# KiCad board NS32016-BC.kicad_pcb (continued)
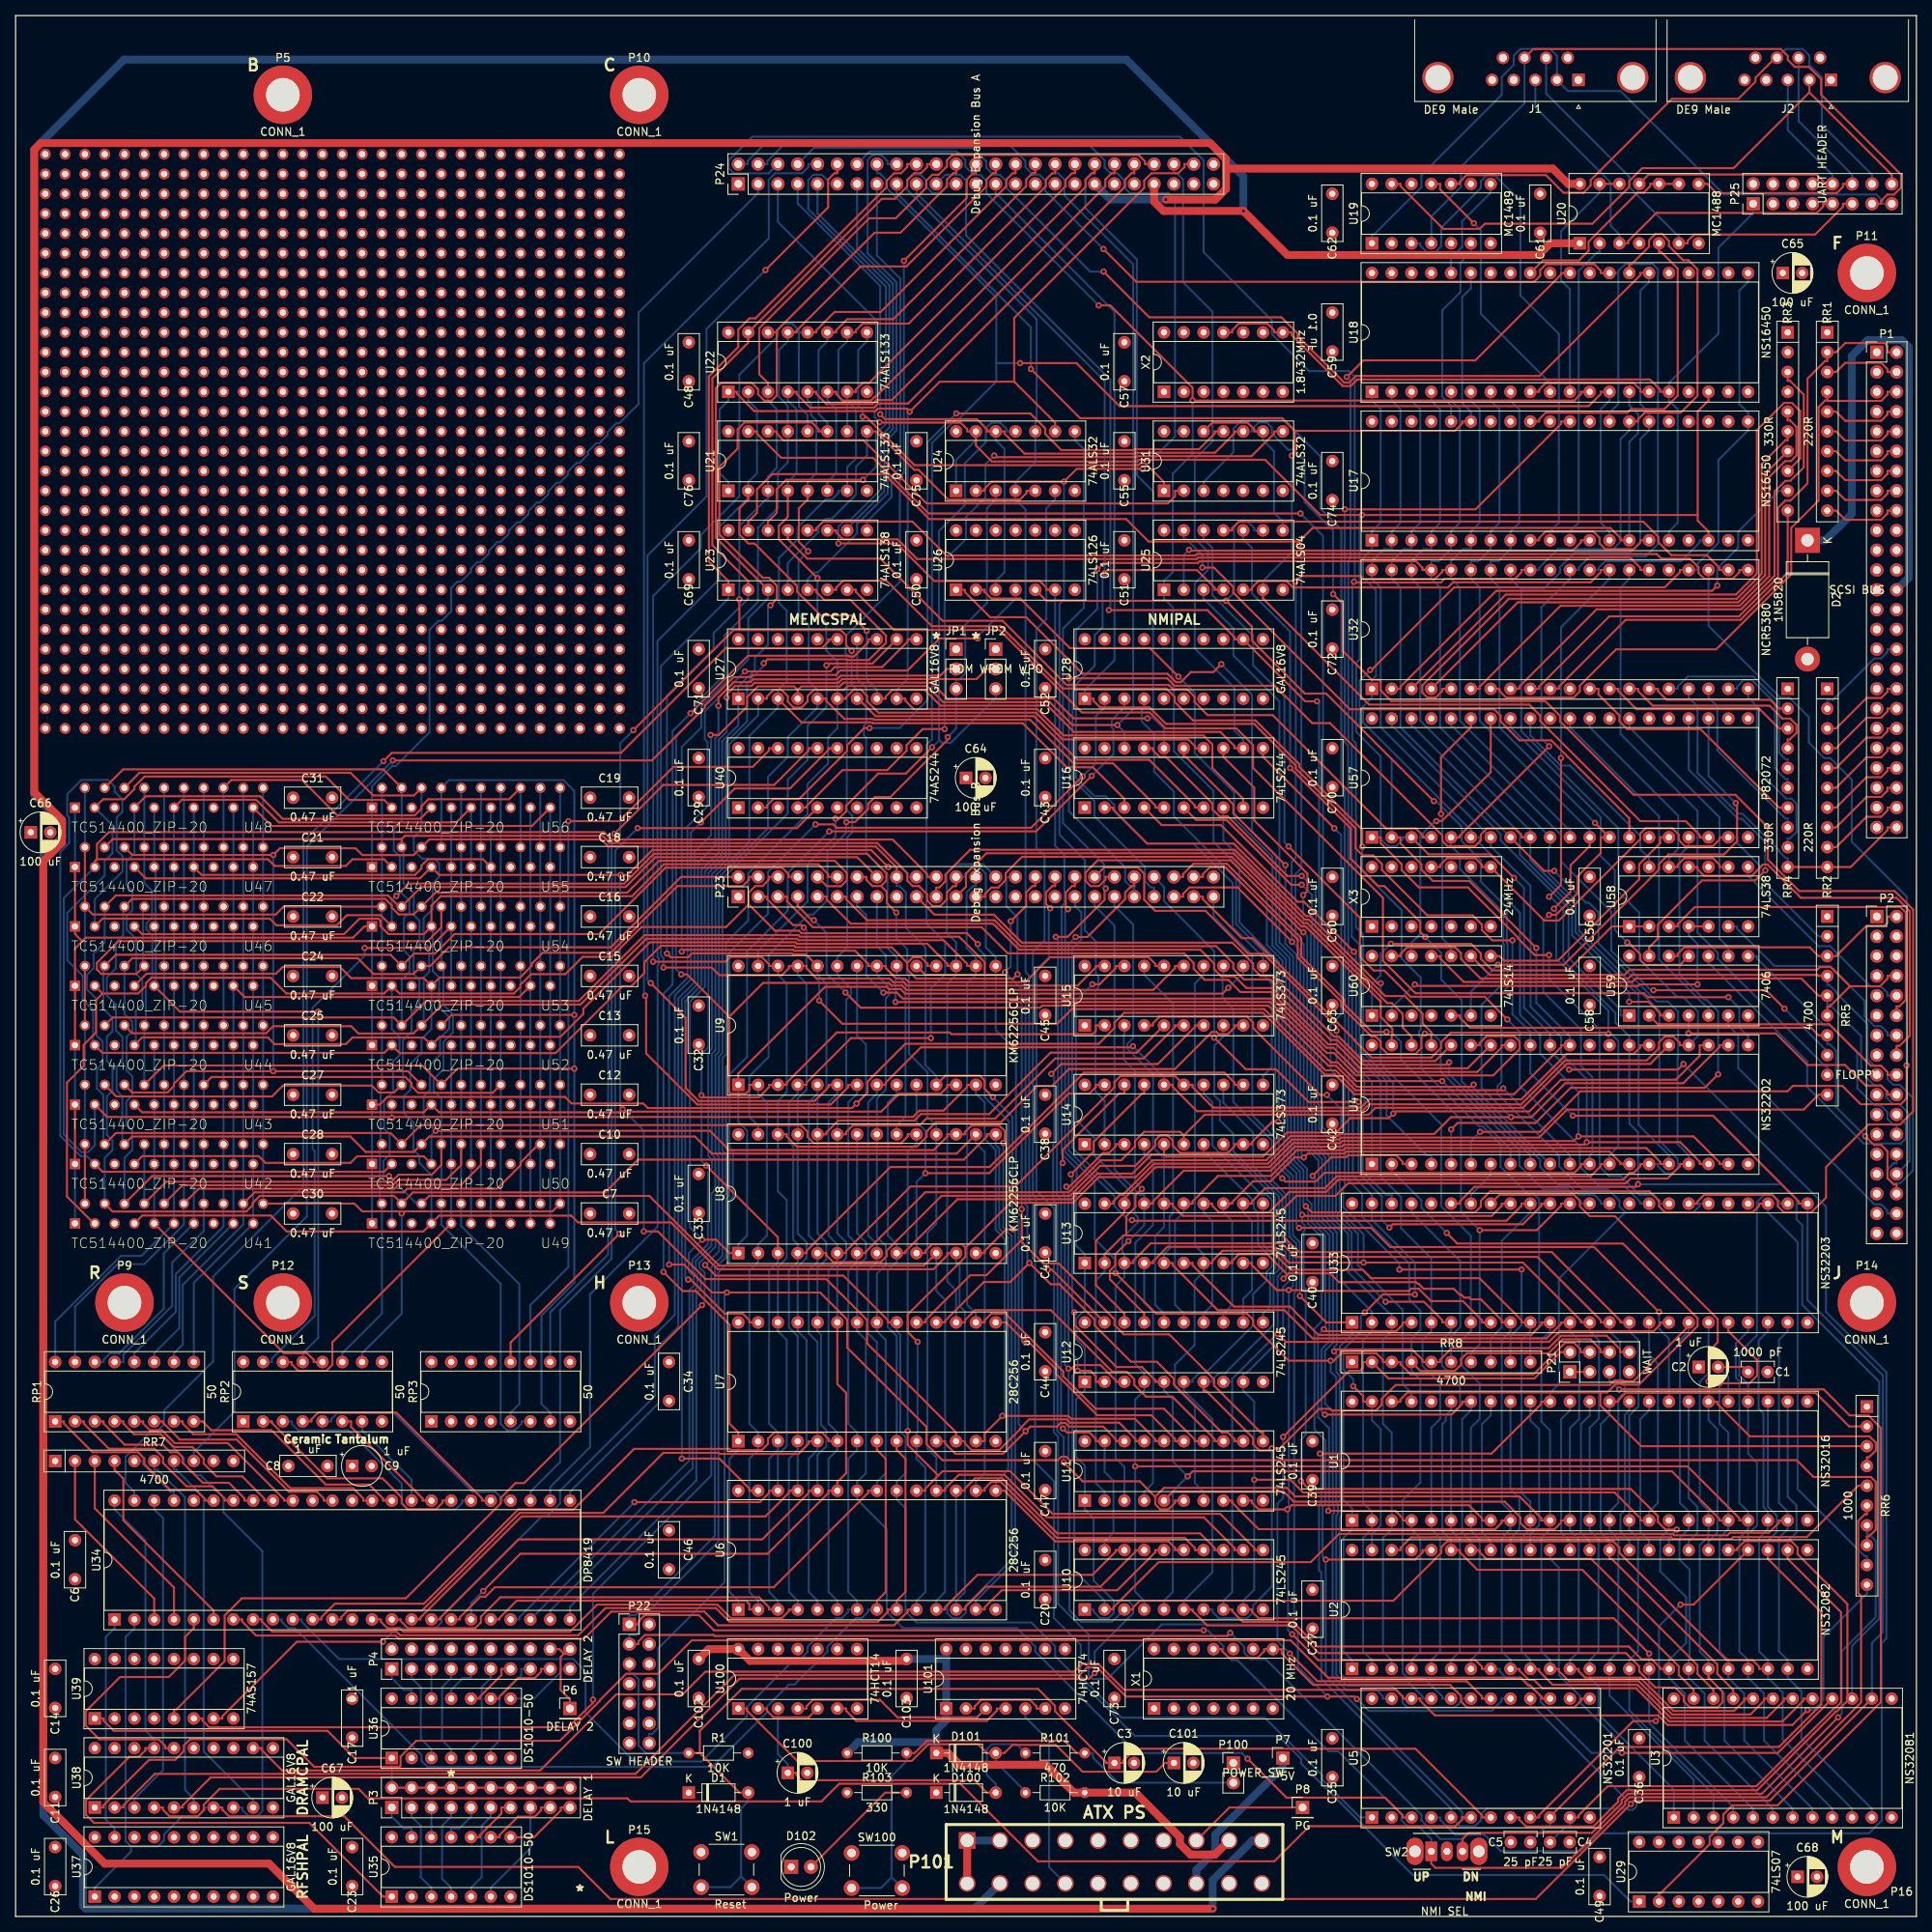
[diagram p0: board, top side]
## Routing (per net, layer and track width the routed paths; a pad name or vN(x,y) marks a point on that pad's centre or on a via; arc(x,y) is an arc through that point) (continued)
+io_data<3>: length 300.2
  Top w0.25: U4.16 210.96,96.52 210.96,96.8 209.2,98.56 170.57,98.56 170.31,98.3 164.36,98.3 161.05,94.99 154.25,94.99 150.99,91.72 150.99,91.44 U13.15 ; U57.9 193.18,138.43 193.18,138.71 192.34,139.56 188.75,139.56 187.96,138.77 187.96,138.04 187.23,137.3 183.68,137.3 183.02,137.96 183.02,138.68 168.62,153.08 166.33,153.08 161.54,157.87 148.67,157.87 147.72,158.82 v1(135.13,158.82)
  Bottom w0.25: P23.41 143.51,131.99 143.14,131.99 142.33,132.79 142.33,134.57 135.13,141.77 v1(135.13,158.82) ; U18.4 181.61,194.45 182.74,193.33 182.74,178.78 181.61,177.66 U17.4 181.61,175.4 180.63,175.4 179.07,173.85 U32.38 179.07,171.59 180.2,170.47 180.2,153.39 194.03,139.56 194.31,139.56 U57.9 194.31,135.53 200.12,129.72 200.12,126.26 208.2,118.18 208.2,101.54 212.09,97.65 U4.16 ; U13.15 149.86,90.31 148.73,89.19 148.73,78.45 149.86,77.33 U12.15
+io_data<4>: length 288.4
  Top w0.25: U4.15 208.42,96.52 208.42,96.24 207.58,95.39 207.09,95.39 206.19,94.49 169.66,94.49 168.11,92.94 163.4,92.94 160.78,90.31 154.37,90.31 153.53,91.16 153.53,91.44 U13.14 ; v1(138.77,172.82) 139.57,173.62 151.66,173.62 151.88,173.85 179.64,173.85 180.48,173 180.48,172.72 U32.37
  Bottom w0.25: U13.14 152.4,90.31 153.53,89.19 153.53,78.45 152.4,77.33 U12.14 ; U4.15 210.68,96.52 210.68,96.24 211.57,95.34 212.52,95.34 213.22,96.05 213.22,97.15 210.87,99.5 210.87,116.15 200.57,126.45 200.57,129.91 196.66,133.82 196.66,137.11 196.85,137.3 U57.10 182.74,152.54 182.74,170.47 181.61,171.59 U32.37 181.61,173.85 182.59,173.85 184.15,175.4 U17.5 184.15,177.66 185.28,178.78 185.28,193.33 184.15,194.45 U18.5 ; P23.43 146.05,131.99 145.68,131.99 144.87,132.79 144.87,134.63 138.39,141.11 138.39,143.07 135.58,145.88 135.58,158.23 136.03,158.67 136.03,165 138.77,167.74 v1(138.77,172.82)
+io_data<5>: length 252.6
  Top w0.25: v1(164.17,171.21) 164.9,171.95 172.5,171.95 172.89,171.56 182.08,171.56 183.02,172.5 183.02,172.72 U32.36 ; U13.13 156.07,91.44 156.07,91.63 158.75,94.31 161.01,94.31 164.06,97.36 v1(165.26,97.36) 165.75,97.85 170.5,97.85 170.76,98.11 204.47,98.11 205.88,96.7 205.88,96.52 U4.14 ; v1(163.75,125.02) 156.77,132 150.58,132 149.77,131.18 149.77,130.81 P23.45
  Bottom w0.25: U57.11 199.39,139.56 199.11,139.56 185.28,153.39 185.28,170.47 184.15,171.59 U32.36 184.15,173.85 185.71,175.4 186.69,175.4 U17.6 186.69,177.66 187.82,178.78 187.82,193.33 186.69,194.45 U18.6 ; v1(165.26,97.36) 164.96,97.67 164.96,103.17 164.79,103.34 164.79,123.97 v1(163.75,125.02) 163.69,125.08 163.69,135.26 164.23,135.8 164.23,171.16 v1(164.17,171.21) ; U13.13 154.94,90.31 156.07,89.19 156.07,78.45 154.94,77.33 U12.13
+io_data<6>: length 243.5
  Top w0.25: P23.47 152.31,130.81 152.31,130.49 157.31,125.49 158.72,125.49 171.8,112.41 171.8,112.32 173.94,110.17 181.62,110.17 182.88,111.44 182.88,112.16 184.1,113.38 204.16,113.38 v1(204.33,113.21) ; U57.12 201.93,137.3 199.47,134.85 199.47,131.41 v1(197.34,129.28) ; U4.13 203.34,96.52 203.34,96.24 202.05,94.94 169.48,94.94 167.96,93.43 160.31,93.43 158.61,91.72 158.61,91.44 U13.12
  Bottom w0.25: U13.12 157.48,90.31 158.61,89.19 158.61,80.35 157.48,79.23 U12.12 ; U57.12 201.93,139.56 201.65,139.56 187.82,153.39 187.82,170.47 186.69,171.59 U32.35 186.69,173.85 187.67,173.85 189.23,175.4 U17.7 189.23,177.66 190.36,178.78 190.36,193.33 189.23,194.45 U18.7 ; U4.13 204.47,97.65 205.6,98.77 205.6,112.3 204.68,113.21 v1(204.33,113.21) 204.33,116.17 197.64,122.86 197.64,128.97 v1(197.34,129.28)
+io_data<7>: length 216.5
  Top w0.25: v1(202.61,140.27) 203.91,138.97 203.91,138.43 ; U4.12 200.8,96.52 200.8,96.24 199.96,95.39 167.92,95.39 166.78,94.26 162.91,94.26 v1(162.49,94.68) ; U57.13 203.91,138.43 ; 203.91,138.43 203.34,138.43 203.34,136.4 200.38,133.44 200.38,131.26 197.6,128.48 v1(196.72,128.48)
  In1.Cu w0.25: v1(162.49,94.68) 162.49,93.91 U13.11
  Bottom w0.25: v1(162.49,94.68) 161.6,95.57 161.6,99.83 158.65,102.77 158.65,123.3 153.67,128.27 P23.49 ; U4.12 201.93,97.65 202.28,97.99 202.28,107.66 200.8,109.14 200.8,113.77 195.98,118.6 195.98,127.75 v1(196.72,128.48) ; U18.8 191.77,194.45 192.9,193.33 192.9,178.78 191.77,177.66 U17.8 191.77,175.4 190.21,173.85 189.23,173.85 U32.34 189.23,171.59 190.36,170.47 190.36,152.53 v1(202.61,140.27) ; U13.11 160.02,86.2 161.6,84.62 161.6,83.17 160.92,82.49 160.92,78.23 160.02,77.33 U12.11
+m0: length 24.5
  Top w0.25: U34.3 17.78,40.77 7.62,50.93 RR7.2
+mem_data<0>: length 303.8
  Top w0.25: P23.2 85.37,133.35 76.34,124.32 55.58,124.32 53.18,121.92 U53.6 51.04,120.89 45.94,120.89 43.91,122.91 14.96,122.91 U45.6 ; U10.18 141.11,46.99 141.11,46.79 138.15,43.82 123.4,43.82 119.24,39.65 119.24,39.37 U6.11 ; U41.6 17.5,94.97 v1(47.91,94.97) ; U8.11 116.49,83.47 90.25,83.47 81.3,92.43 53.06,92.43 U49.6
  Bottom w0.25: U6.11 118.11,40.5 119.24,41.62 119.24,79.1 118.11,80.23 U8.11 ; U49.6 51.43,91.44 v1(47.91,94.97) ; U41.6 13.97,97.31 14.96,98.3 14.96,100.8 14.22,101.55 14.22,104.54 14.98,105.3 14.98,107.77 14.25,108.5 14.25,112.82 14.96,113.54 14.96,114.77 13.97,115.76 U45.6
+mem_data<1>: length 307.2
  Top w0.25: P23.4 94.07,133.35 94.07,132.98 93.27,132.17 84.91,132.17 76.34,123.61 67.61,123.61 66.2,122.2 66.2,121.92 64.73,120.45 54.41,120.45 U53.7 52.35,120.37 43.05,120.37 41.63,121.78 34.25,121.78 33.4,120.93 16.79,120.93 U45.7 ; U10.17 143.65,46.99 143.65,46.79 139.16,42.3 124.42,42.3 121.78,39.65 121.78,39.37 U6.12 ; U8.12 119.52,85.09 119.52,84.81 117.73,83.01 90.07,83.01 84.06,89.02 72.16,89.02 71.29,89.89 54.33,89.89 U49.7 52.3,87.86 34.79,87.86 32.74,89.91 16.25,89.91 U41.7
  Bottom w0.25: U53.7 53.34,113.82 52.07,112.55 52.07,110.77 50.64,109.34 50.64,106.04 49.8,105.2 49.8,103.08 51.04,101.85 51.04,98.34 51.79,97.59 51.79,96.68 53.34,95.13 U49.7 ; U6.12 120.65,40.5 121.78,41.62 121.78,77.61 121.1,78.28 121.1,83.51 120.65,83.96 U8.12
+mem_data<2>: length 318.6
  Top w0.25: U6.13 124.32,39.37 124.32,39.65 126.51,41.85 141.33,41.85 146.19,46.71 146.19,46.99 U10.16 ; 94.05,129.82 97.42,126.44 100.49,126.44 100.81,126.13 122.03,126.13 v1(123.43,124.73) ; 94.05,129.82 91.15,126.93 80.29,126.93 76.46,123.09 72.74,123.09 70.52,120.87 66.13,120.87 64.77,119.51 64.77,119.24 63.92,118.39 49.25,118.39 U53.3 47.27,118.39 34.74,118.39 32.72,120.41 17.42,120.41 16.7,119.7 16.7,119.37 15.72,118.39 11.15,118.39 ; 94.05,129.82 94.05,131.33 94.89,132.17 95.81,132.17 96.61,132.98 96.61,133.35 P23.6 ; U8.13 124.32,85.09 124.32,85.37 127.1,88.16 v1(127.95,88.16) ; 11.15,118.39 U45.3 ; 11.15,118.39 10.32,117.56 10.32,113.38 8.73,111.8 8.73,109.11 6.59,106.96 6.59,92.34 10.03,88.9 U41.3
  Bottom w0.25: U6.13 123.19,40.5 128.23,45.53 128.23,87.88 v1(127.95,88.16) 127.43,88.68 127.43,101.99 124.34,105.07 124.34,123.3 123.43,124.21 v1(123.43,124.73) ; U53.3 48.26,113.82 49.25,112.83 49.25,110.49 48.42,109.66 48.42,105.76 47.27,104.61 47.27,101.03 47.98,100.31 47.98,97.71 47.18,96.9 47.18,94.58 48.26,93.5 U49.3
+mem_data<3>: length 323.1
  Top w0.25: U41.4 12.45,90.42 29.6,90.42 30.42,91.25 30.42,91.53 31.32,92.43 48.54,92.43 U49.4 50.97,92.88 75.62,92.88 79.83,97.08 121.63,97.08 124.6,100.05 124.6,100.33 U8.15 ; U45.4 12.87,123.36 48.09,123.36 U53.4 51.11,123.5 53.8,123.5 56.31,126.01 74.85,126.01 83.37,134.53 98.34,134.53 99.15,133.72 99.15,133.35 P23.8 ; U6.15 126.86,54.61 133.35,48.12 147.89,48.12 148.73,47.27 148.73,46.99 U10.15
  Bottom w0.25: U45.4 11.26,121.75 11.26,116.43 12.42,115.26 12.42,113.54 11.7,112.82 11.7,109.73 12.43,109.01 12.43,105.92 11.71,105.2 11.71,100.25 12.42,99.53 12.42,98.3 11.43,97.31 U41.4 ; U6.15 125.73,55.74 127.33,57.33 127.33,87.12 126.18,88.26 126.18,98.52 125.73,98.97 U8.15
+mem_data<4>: length 329.5
  Top w0.25: P23.10 104.06,132.16 105.88,132.16 106.63,132.9 106.63,133.88 105.08,135.43 82.57,135.43 78.47,131.32 53.85,131.32 U54.6 51.07,128.54 49.14,128.54 48.26,129.42 48.26,129.69 47.42,130.53 14.96,130.53 U46.6 ; U8.16 120.71,97.85 89.33,97.85 87.13,100.05 53.06,100.05 U50.6 51.08,98.07 44.92,98.07 42.94,100.05 14.96,100.05 U42.6 ; U10.14 151.27,46.99 151.27,47.27 149.98,48.57 133.57,48.57 126.4,55.74 125.16,55.74 124.32,54.89 124.32,54.61 U6.16
  Bottom w0.25: U8.16 123.19,99.2 124.32,98.08 124.32,56.86 123.19,55.74 U6.16 ; U46.6 13.8,129.37 13.8,125.85 12.86,124.9 12.86,121.6 11.71,120.44 11.71,118.16 12.88,116.99 12.88,113.64 13.71,112.8 13.71,109.75 12.96,109 12.96,105.94 13.69,105.21 13.69,99.34 U42.6
+mem_data<5>: length 371
  Top w0.25: U6.17 121.78,54.61 121.78,54.89 123.09,56.21 126.56,56.21 133.64,49.14 151.95,49.14 153.81,47.27 153.81,46.99 U10.13 ; v1(126.7,99.23) 126.91,99.43 126.91,100.75 126.2,101.46 122.62,101.46 121.78,100.61 121.78,100.33 U8.17 119.52,100.33 119.52,100.05 117.78,98.3 91.55,98.3 89.07,100.78 v1(53.88,100.78) ; U42.7 16.25,97.53 31.18,97.53 32.05,96.66 42.97,96.66 43.81,97.51 52.35,97.51 U50.7 ; P23.12 104.23,133.35 104.23,133.72 102.97,134.98 83.17,134.98 79.07,130.87 54.54,130.87 53.34,129.67 U54.7 52.35,126.01 47.83,126.01 46.8,127.04 46.8,127.72 46.54,127.99 44.12,127.99 42.14,126.01 16.23,126.01 U46.7
  Bottom w0.25: U50.7 53.34,100.24 v1(53.88,100.78) 52.34,102.32 52.34,105.2 53.16,106.02 53.16,109.25 54.44,110.53 54.44,112.69 55.65,113.9 55.65,115.32 54.33,116.64 54.33,120.45 53.52,121.26 53.52,126.82 U54.7 ; U6.17 120.65,41.13 119.52,40 119.52,38.91 120.18,38.24 121.17,38.24 121.92,38.99 121.92,39.9 127.78,45.76 127.78,87.3 126.7,88.38 v1(126.7,99.23)
+mem_data<6>: length 358.9
  Top w0.25: 111.02,132.17 109.92,132.17 109.13,132.97 109.13,133.35 P23.14 ; 111.02,132.17 111.7,132.86 111.7,133.83 109.21,136.33 81.88,136.33 78.05,132.5 50.43,132.5 v1(48.85,130.92) ; 111.02,132.17 111.76,131.43 111.76,129.99 v1(112.98,128.77) ; U54.3 46.82,128.44 42.52,128.44 41.22,127.14 33.46,127.14 32.6,128 11.16,128 U46.3 ; U6.18 119.24,54.61 119.24,54.89 121,56.66 126.84,56.66 132.31,51.19 152.44,51.19 156.35,47.27 156.35,46.99 U10.12 ; U42.3 11.15,95.53 47.27,95.53 U50.3
  Bottom w0.25: U54.3 48.26,130.33 v1(48.85,130.92) ; v1(112.98,128.77) 112.98,125.49 114.38,124.09 114.38,121.02 114.61,120.79 114.61,110.67 116.98,108.29 116.98,102.58 118.11,101.46 U8.18 118.11,88.84 116.97,87.7 116.97,60.01 118.11,58.87 U6.18 ; U42.3 9.14,97.54 8.32,97.54 5.73,100.13 5.73,136.55 6.86,137.68 6.86,140.98 6.63,141.21 6.63,143.98 8.44,145.78 11.86,145.78 12.7,144.95 12.7,144.31 13.69,143.32 13.69,141.7 12.96,140.98 12.96,136.77 13.71,136.01 13.71,134.05 10.16,130.5 U46.3
+mem_data<7>: length 341.1
  Top w0.25: U10.11 158.89,46.99 158.89,47.27 154.53,51.64 133.04,51.64 127.57,57.11 118.91,57.11 118.37,56.56 ; 118.37,56.56 116.7,54.89 116.7,54.61 U6.19 ; 118.37,56.56 114.44,60.48 v1(114.44,62.26) ; P23.16 107.96,135.88 82.07,135.88 78.24,132.05 52.04,132.05 U54.4 49.2,129.54 47.76,130.98 12.87,130.98 U46.4 ; U8.19 114.44,100.33 114.44,100.05 113.6,99.2 102.4,99.2 101.6,100 101.6,100.66 100.75,101.51 51.98,101.51 U50.4 48.09,100.5 12.87,100.5 U42.4
  Bottom w0.25: v1(114.44,62.26) 114.44,98.08 115.57,99.2 U8.19 ; U42.4 11.26,99.23 11.26,105.39 10.43,106.21 10.43,108.71 11.17,109.45 11.17,112.21 10.39,113 10.39,117.69 9.16,118.91 9.16,120.8 10,121.64 10,123.51 11.43,124.94 U46.4
+mem_data<8>: length 282.9
  Top w0.25: U7.11 119.24,60.96 119.24,60.68 120.57,59.34 126.67,59.34 v1(129.57,62.24) 130.17,62.85 133.59,62.85 134.05,63.31 134.66,63.31 135.12,62.85 139.51,62.85 141.11,61.24 141.11,60.96 U11.18 ; P23.18 113.03,134.56 110.34,137.25 76.04,137.25 75.13,138.16 53.07,138.16 U55.6 51.06,136.15 44.47,136.15 43.6,137.02 33.92,137.02 v1(33.05,136.16) 14.97,136.16 U47.6 ; U43.6 14.96,105.69 19.49,105.69 20.32,106.53 20.32,106.82 21.92,108.42 v1(33.05,108.42) 50.33,108.42 U51.6 ; v1(125.38,105.09) 124.32,106.16 124.32,107.22 123.7,107.84 119.27,107.84 U9.11
  Bottom w0.25: v1(129.57,62.24) 128.68,63.13 128.68,89.33 127.88,90.13 127.88,102.59 v1(125.38,105.09) ; P23.18 113.03,132.17 113.4,132.17 114.21,131.37 114.21,126.81 116.74,124.28 116.74,113.02 116.68,112.97 116.68,109.23 118.11,107.81 U9.11 ; v1(33.05,136.16) v1(33.05,108.42)
+mem_data<9>: length 341.9
  Top w0.25: U9.12 119.52,106.68 119.52,106.4 118.68,105.55 113.35,105.55 111.04,103.24 78.17,103.24 v1(77.86,103.55) 77.46,103.15 54.33,103.15 U51.7 52.35,103.15 16.23,103.15 U43.7 ; v1(80.58,87.87) 82.39,87.87 88.51,81.75 103.99,81.75 109.22,76.52 109.22,73.52 120.65,62.09 U7.12 121.78,60.96 121.78,60.68 122.64,59.82 126.18,59.82 128.83,62.46 128.83,62.57 130.02,63.76 134.84,63.76 135.26,63.34 141.56,63.34 143.65,61.24 143.65,60.96 U11.17 ; v1(111.95,134.61) 109.76,136.8 81.68,136.8 78.5,133.61 v1(77.64,133.61) 54.35,133.61 U55.7 51.88,133.16 16.7,133.16 U47.7
  Bottom w0.25: P23.20 114.39,133.35 114.39,133.72 113.5,134.61 v1(111.95,134.61) ; v1(80.58,87.87) 80.58,100.83 v1(77.86,103.55) 77.55,103.86 77.55,133.52 v1(77.64,133.61)
+mem_data<10>: length 388.4
  Top w0.25: U9.13 122.06,106.68 122.06,106.4 119.04,103.37 115.93,103.37 115.12,102.56 48.26,102.56 ; 48.26,102.56 11.74,102.56 U43.3 ; 48.26,102.56 v1(48.26,102.42) ; U55.3 47.27,135.61 43.21,135.61 42.37,134.76 33.23,134.76 32.37,135.62 10.44,135.62 ; U7.13 124.32,60.96 124.32,61.94 v1(126.58,64.21) 135.03,64.21 135.4,63.84 143.6,63.84 146.19,61.24 146.19,60.96 U11.16 ; U47.3 10.16,135.34 10.44,135.62 ; 10.44,135.62 10.44,137.57 11.97,139.1 75.47,139.1 76.42,138.15 112.5,138.15 116.93,133.72 116.93,133.35 P23.22
  Bottom w0.25: v1(48.26,102.42) U51.3 ; U47.3 6.18,130.64 6.18,100.31 8.45,98.05 9.3,98.05 10.16,98.9 U43.3 ; v1(126.58,64.21) 126.87,64.5 126.87,86.93 125.73,88.08 125.73,98.33 124.32,99.75 124.32,104.43 123.19,105.55 U9.13
+mem_data<11>: length 289.2
  Top w0.25: 49.53,138.2 12.47,138.2 U47.4 ; 49.53,138.2 49.95,138.61 75.31,138.61 76.23,137.7 110.52,137.7 114.39,133.83 114.39,132.86 115.08,132.17 115.87,132.17 116.93,131.11 116.93,130.32 117.65,129.6 118.62,129.6 119.47,130.45 119.47,131.37 120.28,132.17 120.65,132.17 P23.24 ; 49.53,138.2 U55.4 ; U51.4 48.54,105.69 46.58,105.69 45.7,106.58 34.28,106.58 32.89,105.19 12.92,105.19 U43.4 ; U7.15 127.05,76.2 v1(129.41,73.85) 129.8,73.85 133.45,70.2 133.45,69.59 138.75,64.29 145.69,64.29 148.73,61.24 148.73,60.96 U11.15
  Bottom w0.25: U51.4 49.7,106.85 49.7,112.41 50.8,113.51 50.8,115.97 51.79,116.96 51.79,120.14 51.06,120.87 51.06,123.93 51.81,124.68 51.81,127.74 51.08,128.47 51.08,131.25 49.76,132.58 49.76,136.93 U55.4 ; v1(129.41,73.85) 129.13,74.13 129.13,89.63 128.33,90.43 128.33,111.09 125.73,113.69 U9.15 125.73,123.05 124.46,124.32 124.46,133.78 123.71,134.53 122.64,134.53 121.83,133.72 121.83,133.35 P23.24
+mem_data<12>: length 288.6
  Top w0.25: U56.6 51.08,143.79 45.89,143.79 42.98,146.7 15.89,146.7 U48.6 ; U7.16 124.32,76.2 124.32,76.48 125.16,77.33 126.98,77.33 134.4,69.91 134.4,69.28 138.55,65.12 147.32,65.12 151.27,61.16 151.27,60.96 U11.14 ; U9.16 122.06,121.92 122.06,122.2 119.04,125.23 100.43,125.23 100.25,125.41 80.89,125.41 72.46,116.98 54.75,116.98 U52.6 51.04,113.27 43.98,113.27 43.05,114.19 33.04,114.19 32.14,113.3 14.97,113.3 U44.6
  Bottom w0.25: U56.6 52.07,139.44 51.08,138.45 51.08,136.75 52.14,135.69 53.72,135.69 54.33,135.08 54.33,133.35 53.5,132.52 53.5,129.22 52.34,128.06 52.34,124.98 53.07,124.25 53.07,121.16 52.35,120.45 52.35,114.58 U52.6 ; U7.16 123.19,77.33 122.06,78.45 122.06,119.67 123.19,120.79 U9.16 123.19,123.05 122,124.24 122,131.35 122.82,132.17 123.19,132.17 P23.26
+mem_data<13>: length 296.6
  Top w0.25: U7.17 121.78,76.2 121.78,76.48 123.07,77.78 132.79,77.78 140.69,69.88 142.53,69.88 143.51,68.9 143.51,68.18 145.02,66.67 148.38,66.67 153.81,61.24 153.81,60.96 U11.13 ; U48.7 16.69,143.69 31.38,143.69 34.27,140.8 51.9,140.8 U56.7 ; U44.7 16.24,112.76 32.38,112.76 33.23,111.9 42.37,111.9 43.21,112.75 52.35,112.75 U52.7 54.41,112.83 69.89,112.83 72.82,115.76 72.82,116.43 81.35,124.96 100.06,124.96 100.25,124.78 116.95,124.78 119.52,122.2 119.52,121.92 U9.17
  Bottom w0.25: U44.7 15.42,111.94 15.42,116.14 16.25,116.98 16.25,120.12 15.49,120.89 15.49,125.36 14.25,126.59 14.25,128.36 14.97,129.08 14.97,131.56 14.24,132.29 14.24,135.38 15.24,136.37 U48.7 ; U7.17 120.65,80.31 119.51,81.44 119.51,119.66 120.65,120.79 U9.17 120.65,124.95 119.46,126.14 119.46,133.85 120.6,134.99 124.09,134.99 P23.28
+mem_data<14>: length 315.1
  Top w0.25: 114.39,122.33 112.39,124.33 100.06,124.33 99.87,124.51 82.77,124.51 80.66,122.41 80.66,121.01 78.98,119.33 77.86,119.33 69.27,110.75 49.27,110.75 U52.3 47.27,110.77 11.15,110.77 U44.3 ; 114.39,122.33 114.39,121.46 115.55,120.3 127.96,120.3 v1(128.52,120.87) ; 114.39,122.33 115.1,123.05 116.14,123.05 116.98,122.2 116.98,121.92 U9.18 ; U11.12 156.35,60.96 156.35,61.24 155.51,62.09 154.74,62.09 148.59,68.23 148.59,68.97 146.41,71.15 143.08,71.15 138.43,75.81 138.43,76.56 133.89,81.1 132.79,81.1 v1(130.05,83.83) 127.61,81.38 124.22,81.38 119.24,76.4 119.24,76.2 U7.18 ; U48.3 11.23,143.31 13.92,143.31 15.24,144.63 15.24,144.93 16.54,146.23 39.79,146.23 42.8,143.23 47.27,143.23 U56.3
  Bottom w0.25: P23.30 127.21,133.35 127.09,133.24 127.09,129.59 128.52,128.16 v1(128.52,120.87) 129.55,119.84 129.55,91.34 129.79,91.11 129.79,84.09 v1(130.05,83.83) ; U44.3 9.93,111.99 9.93,116.3 8.61,117.63 8.61,120.67 6.63,122.65 6.63,128.74 11.43,133.54 11.43,135.41 12.42,136.4 12.42,139.97 U48.3
+mem_data<15>: length 316.9
  Top w0.25: 128.94,86.64 124.55,82.25 122.46,82.25 116.7,76.48 116.7,76.2 U7.19 ; 128.94,86.64 129.07,86.77 v1(129.07,90.74) ; 128.94,86.64 131.83,83.76 133.81,83.76 140.97,76.6 140.97,75.87 142.18,74.67 147.98,74.67 153.74,68.91 153.74,68.09 159.74,62.09 160.02,62.09 U11.11 ; U9.19 116.7,120.79 124.32,120.79 ; v1(126.91,121.1) 126.6,120.79 124.32,120.79 ; U44.4 12.45,115.32 48.51,115.32 U52.4 52.66,117.43 72.24,117.43 80.69,125.88 100.42,125.88 100.62,125.68 121.05,125.68 124.32,122.41 124.32,120.79 ; U48.4 13.8,147.15 47.16,147.15 U56.4 ; P23.32 130.81,132.17 130.44,132.17 129.63,131.37 129.63,129.64 v1(127.66,127.66)
  Bottom w0.25: v1(129.07,90.74) 129.07,118.94 v1(126.91,121.1) 127.66,121.85 v1(127.66,127.66) ; U52.4 49.53,120.17 50.53,121.17 50.53,123.2 49.81,123.92 49.81,128.06 50.52,128.77 50.52,130.27 49.3,131.49 49.3,135.96 48.52,136.74 48.52,139.48 49.53,140.49 U56.4
+mmu_a24: length 64.7
  Top w0.25: U2.46 177.66,46.99 177.66,47.27 179.01,48.62 212.4,48.62 212.6,48.43 220.09,48.43 220.33,48.67 229.79,48.67 236.36,55.24 RR6.5
+motor: length 33.1
  Top w0.25: U58.9 218.58,134.62 218.58,134.9 217.74,135.75 214.06,135.75 213.22,134.9 213.22,134.62 U58.12
  Bottom w0.25: U58.12 212.09,135.75 213.28,136.94 213.28,141.19 201.93,152.54 U57.29
+pav: length 158.8
  Top w0.25: v1(139.71,172.31) 140.1,172.7 151.55,172.7 153.81,170.44 153.81,170.18 U25.4
  Bottom w0.25: U14.11 160.02,107.81 161.15,108.93 161.15,119.67 160.02,120.79 U15.11 160.02,123.05 156.11,126.95 156.11,132.59 151.08,137.62 145.19,137.62 140.97,141.84 140.97,142.56 139.82,143.71 138.38,143.71 136.03,146.06 136.03,158.04 138.43,160.44 138.43,164.36 139.43,165.36 139.43,172.03 v1(139.71,172.31) 139.71,196.94 115.57,221.07 P24.19
+phi1: length 87.9
  Top w0.25: U2.26 227.33,45.86 234.17,39.02 234.17,27.47 233.41,26.71 233.31,26.71 223.3,16.7 204.24,16.7 200.52,12.98 200.52,12.7 U5.11
  Bottom w0.25: U5.11 199.39,11.57 198.9,11.57 C4.1 ; U2.26 227.33,48.12 228.46,49.25 228.46,52.7 227.33,53.84 U1.26
+phi2: length 88
  Top w0.25: U2.27 224.79,45.86 231.64,39.01 231.64,27.18 226.2,21.73 205.79,21.73 196.85,12.79 U5.10
  Bottom w0.25: C5.1 196.36,11.57 196.85,11.57 U5.10 ; U1.27 224.79,52.56 225.92,51.43 225.92,49.33 224.79,48.19 U2.27
+rahs: length 24.5
  Top w0.25: RR7.3 10.16,52.34 20.32,42.18 U34.4
+ras_dly100: length 67
  Top w0.25: P3.20 P3.18 P3.16 P3.14 P3.12 P3.10 P3.8 P3.6 P3.4 P3.2 ; U36.1 43.5,20.32 40.01,23.81 12.59,23.81 11.29,25.12 11.29,25.4 U39.1
  Bottom w0.25: U36.1 P3.2
+rdy: length 101.2
  Top w0.25: U5.9 195.44,12.7 195.44,12.98 207.51,25.06 v1(210.41,25.06) ; U2.28 215.26,40 v1(213.58,40)
  Bottom w0.25: v1(210.41,25.06) 210.82,25.47 210.82,37.24 v1(213.58,40) ; U2.28 222.25,49.04 223.38,50.17 223.38,58.22 222.25,59.35 U1.28 222.25,68.26 221.12,69.38 221.12,72.28 223.38,74.53 223.38,91.64 224.33,92.59 225.33,92.59 226.2,91.72 226.2,91.44 U33.26
+rfio: length 41.4
  Bottom w0.25: U34.46 17.78,52.21 18.91,51.09 18.91,18.76 15.24,15.1 U38.3
+rfshclk: length 28.9
  Bottom w0.25: U34.1 12.7,36.97 11.57,35.85 11.57,12.41 12.7,11.29 U37.19
+rts1_rs232: length 55.7
  Top w0.25: P25.11 234.42,219.7 234.42,219.34 230.84,215.76 215.33,215.76 214.49,214.91 214.49,214.63 U20.6
  Bottom w0.25: U20.6 213.36,215.76 213.08,215.76 207.01,221.82 207.01,223.17 196.34,233.84 J1.7
+rts2_rs232: length 39.9
  Top w0.25: U20.8 217.03,222.25 218.21,221.07 233.62,221.07 234.42,221.88 234.42,222.24 P25.12
  Bottom w0.25: P25.12 235.6,223.42 228.72,230.3 228.72,238.42
+rxd1_rs232: length 90.9
  Bottom w0.25: U19.1 173.99,215.76 174.27,215.76 180.34,221.82 180.34,223.38 190.64,233.68 190.64,235.97 192.19,237.51 192.19,238.7 193.05,239.56 196.85,239.56 197.72,238.69 197.72,235.58 199.15,234.16 205.89,234.16 219.17,220.88 238.7,220.88 239.5,220.07 239.5,219.7 P25.15
+rxd2_rs232: length 81.5
  Top w0.25: U19.13 177.66,222.25 177.66,221.97 183.15,216.48 187.81,216.48 188.48,217.14 202.28,217.14 207.01,221.87 207.01,222.62 208.66,224.27 220.39,224.27 230.11,233.99 ; 230.11,233.99 240.68,223.42 P25.16 ; 230.11,233.99 J2.2
+scsi_eop: length 76.4
  Bottom w0.25: U32.27 207.01,171.59 205.88,170.47 205.88,151.68 215.76,141.81 215.76,126.2 218.36,123.6 218.36,122.84 232.13,109.08 232.41,109.08 RR5.9
+scsi_ir: length 142.5
  Top w0.25: v1(242.58,109.17) 242.58,104.96 241.82,104.19 236.69,104.19 234.34,106.54 227.98,106.54 227.29,105.85 200.73,105.85 195.53,100.65 v1(187.86,100.65)
  Bottom w0.25: U32.23 217.17,165.55 226.37,156.35 227.54,156.35 230.04,153.86 230.04,150.58 232.03,148.59 232.78,148.59 235.55,145.82 235.55,137.85 242.58,130.82 v1(242.58,109.17) ; U4.6 186.69,99.48 v1(187.86,100.65)
+st0: length 60.5
  Top w0.25: U2.43 185.28,46.99 185.28,46.71 187.52,44.47 200.96,44.47 213.36,32.07 213.36,30.97 215.26,29.07 U3.23
  Bottom w0.25: U2.43 184.15,48.26 183.02,49.39 183.02,63.15 183.47,63.6 183.47,64.24 184.15,64.91 U1.43
+st1: length 126.6
  Top w0.25: v1(167.96,64.38) 184.18,64.38 185.56,65.76 185.56,66.04 U1.42 ; U4.3 177.94,96.52 177.94,96.8 177.1,97.65 170.93,97.65 170.68,97.4 168.79,97.4 v1(166.38,94.99) ; U2.42 187.82,46.99 187.82,46.71 188.66,45.86 202.12,45.86 215.76,32.23 215.76,31.11 217.8,29.07 U3.22
  Bottom w0.25: v1(167.96,64.38) 167.52,64.81 167.52,72.76 168.55,73.79 168.55,87.4 166.69,89.26 166.69,94.68 v1(166.38,94.99) ; U1.42 186.69,64.91 185.56,63.79 185.56,49.24 186.69,48.12 U2.42
+st2: length 20
  Bottom w0.25: U2.41 189.23,48.12 188.1,49.24 188.1,63.15 189.23,64.28 U1.41
+st3: length 20
  Bottom w0.25: U1.40 191.77,54.78 192.9,53.65 192.9,49.64 191.77,48.51 U2.40
+swap_jumper: length 345.3
  Top w0.25: RR6.8 237.49,48.75 237.77,48.75 238.62,49.59 238.62,55.76 238.01,56.37 230.64,56.37 228.49,58.53 135.2,58.53 134.76,58.97 134.16,58.97 133.71,58.53 118.9,58.53 116.84,60.58 116.84,62.8 106.68,72.96 106.68,76.57 103.22,80.04 v1(91.24,80.04) 89.33,80.04 85.74,83.62 v1(83.84,83.62) ; U27.11 114.44,163.83 114.44,163.55 111.17,160.27 105.08,160.27 104.52,159.71 v1(93.55,159.71)
  Bottom w0.25: v1(93.55,159.71) 88.41,154.58 88.41,151.01 88.76,150.67 88.76,142.4 86.18,139.83 86.18,120.4 83.84,118.05 v1(83.84,83.62) ; v1(91.24,80.04) 90.94,79.74 90.94,42.88 82.45,34.39 82.45,24.21 81.64,23.41 81.27,23.41 P22.14
+system_reset: length 204.9
  Top w0.25: 164.1,190.57 184.65,190.57 185.56,191.49 185.56,191.77 U17.35 ; 164.1,190.57 162.48,192.19 136.56,192.19 v1(130.24,198.51) ; 164.1,190.57 164.1,187.76 v1(163.73,187.39) ; U25.6 160.02,169.05 173.62,155.45 194.17,155.45 195.58,154.05 195.58,153.35 208.43,140.5 214.26,140.5 216.04,138.71 216.04,138.43 U57.18
  Bottom w0.25: U25.6 160.02,171.31 163.73,175.01 v1(163.73,187.39) ; v1(130.24,198.51) 130.24,203.86 113.03,221.07 P24.17 ; U18.35 186.69,208.85 185.56,207.72 185.56,194.17 186.69,193.04 U17.35
+tcu_clk_in: length 54
  Top w0.25: U5.13 200.8,27.94 200.8,27.66 199.96,26.81 186.17,26.81 185.42,27.57 185.42,28.28 184,29.7 166.45,29.7 162.42,33.74 162.42,34.29 X1.8 160.16,34.29 160.16,34.01 159.32,33.16 155.64,33.16 154.8,34.01 154.8,34.29 X1.11
+txd1_rs232: length 55.2
  Top w0.25: U20.3 206.87,214.63 206.87,214.91 210.48,218.53 231.08,218.53 231.88,219.34 231.88,219.7 P25.9
  Bottom w0.25: J1.3 194.95,232.09 204.61,222.43 204.61,216.88 205.74,215.76 U20.3
+txd2_rs232: length 41.7
  Top w0.25: U20.11 209.49,223.46 231.04,223.46 231.88,222.61 231.88,222.24 P25.10
  Bottom w0.25: P25.10 233.06,223.42 227.34,229.14 J2.3
+uart1_clk_out: length 17.9
  Top w0.25: U17.15 208.42,176.53 208.42,176.25 207.58,175.4 203.92,175.4 203.2,176.13 203.2,176.85 202.4,177.66 196.28,177.66 195.44,176.81 195.44,176.53 U17.9
+uart1_ir: length 119.1
  Top w0.25: U17.30 198.26,191.77 198.26,191.49 187.28,180.5 v1(170.51,180.5)
  Bottom w0.25: v1(170.51,180.5) 170.51,150.63 170.95,150.19 170.95,123.45 171.44,122.96 171.44,109.62 173.99,107.08 U4.1
+uart2_clk_out: length 16.5
  Top w0.25: U18.9 195.44,195.58 195.44,195.86 196.28,196.71 207.58,196.71 208.42,195.86 208.42,195.58 U18.15
+uart2_ir: length 140.3
  Top w0.25: U18.30 198.26,210.82 198.26,210.62 187.26,199.61 172.9,199.61 v1(170.77,197.49)
  Bottom w0.25: v1(170.77,197.49) 171.25,197.01 171.25,174.22 170.96,173.93 170.96,150.84 171.4,150.4 171.4,125.67 172.41,124.67 172.41,110.62 175.87,107.15 175.87,102.77 180.99,97.65 181.61,97.65 U4.4
+uart_xtal1: length 111.2
  Top w0.25: X2.11 156.07,203.2 156.07,203.48 156.91,204.33 160.59,204.33 161.43,203.48 161.43,203.2 X2.8 163.69,203.2 163.69,202.88 170.26,196.31 171.26,196.31 172.11,197.16 209.66,197.16 210.96,195.86 210.96,195.58 U18.16